# KiCad board ulx4m_panel.kicad_pcb (continued)
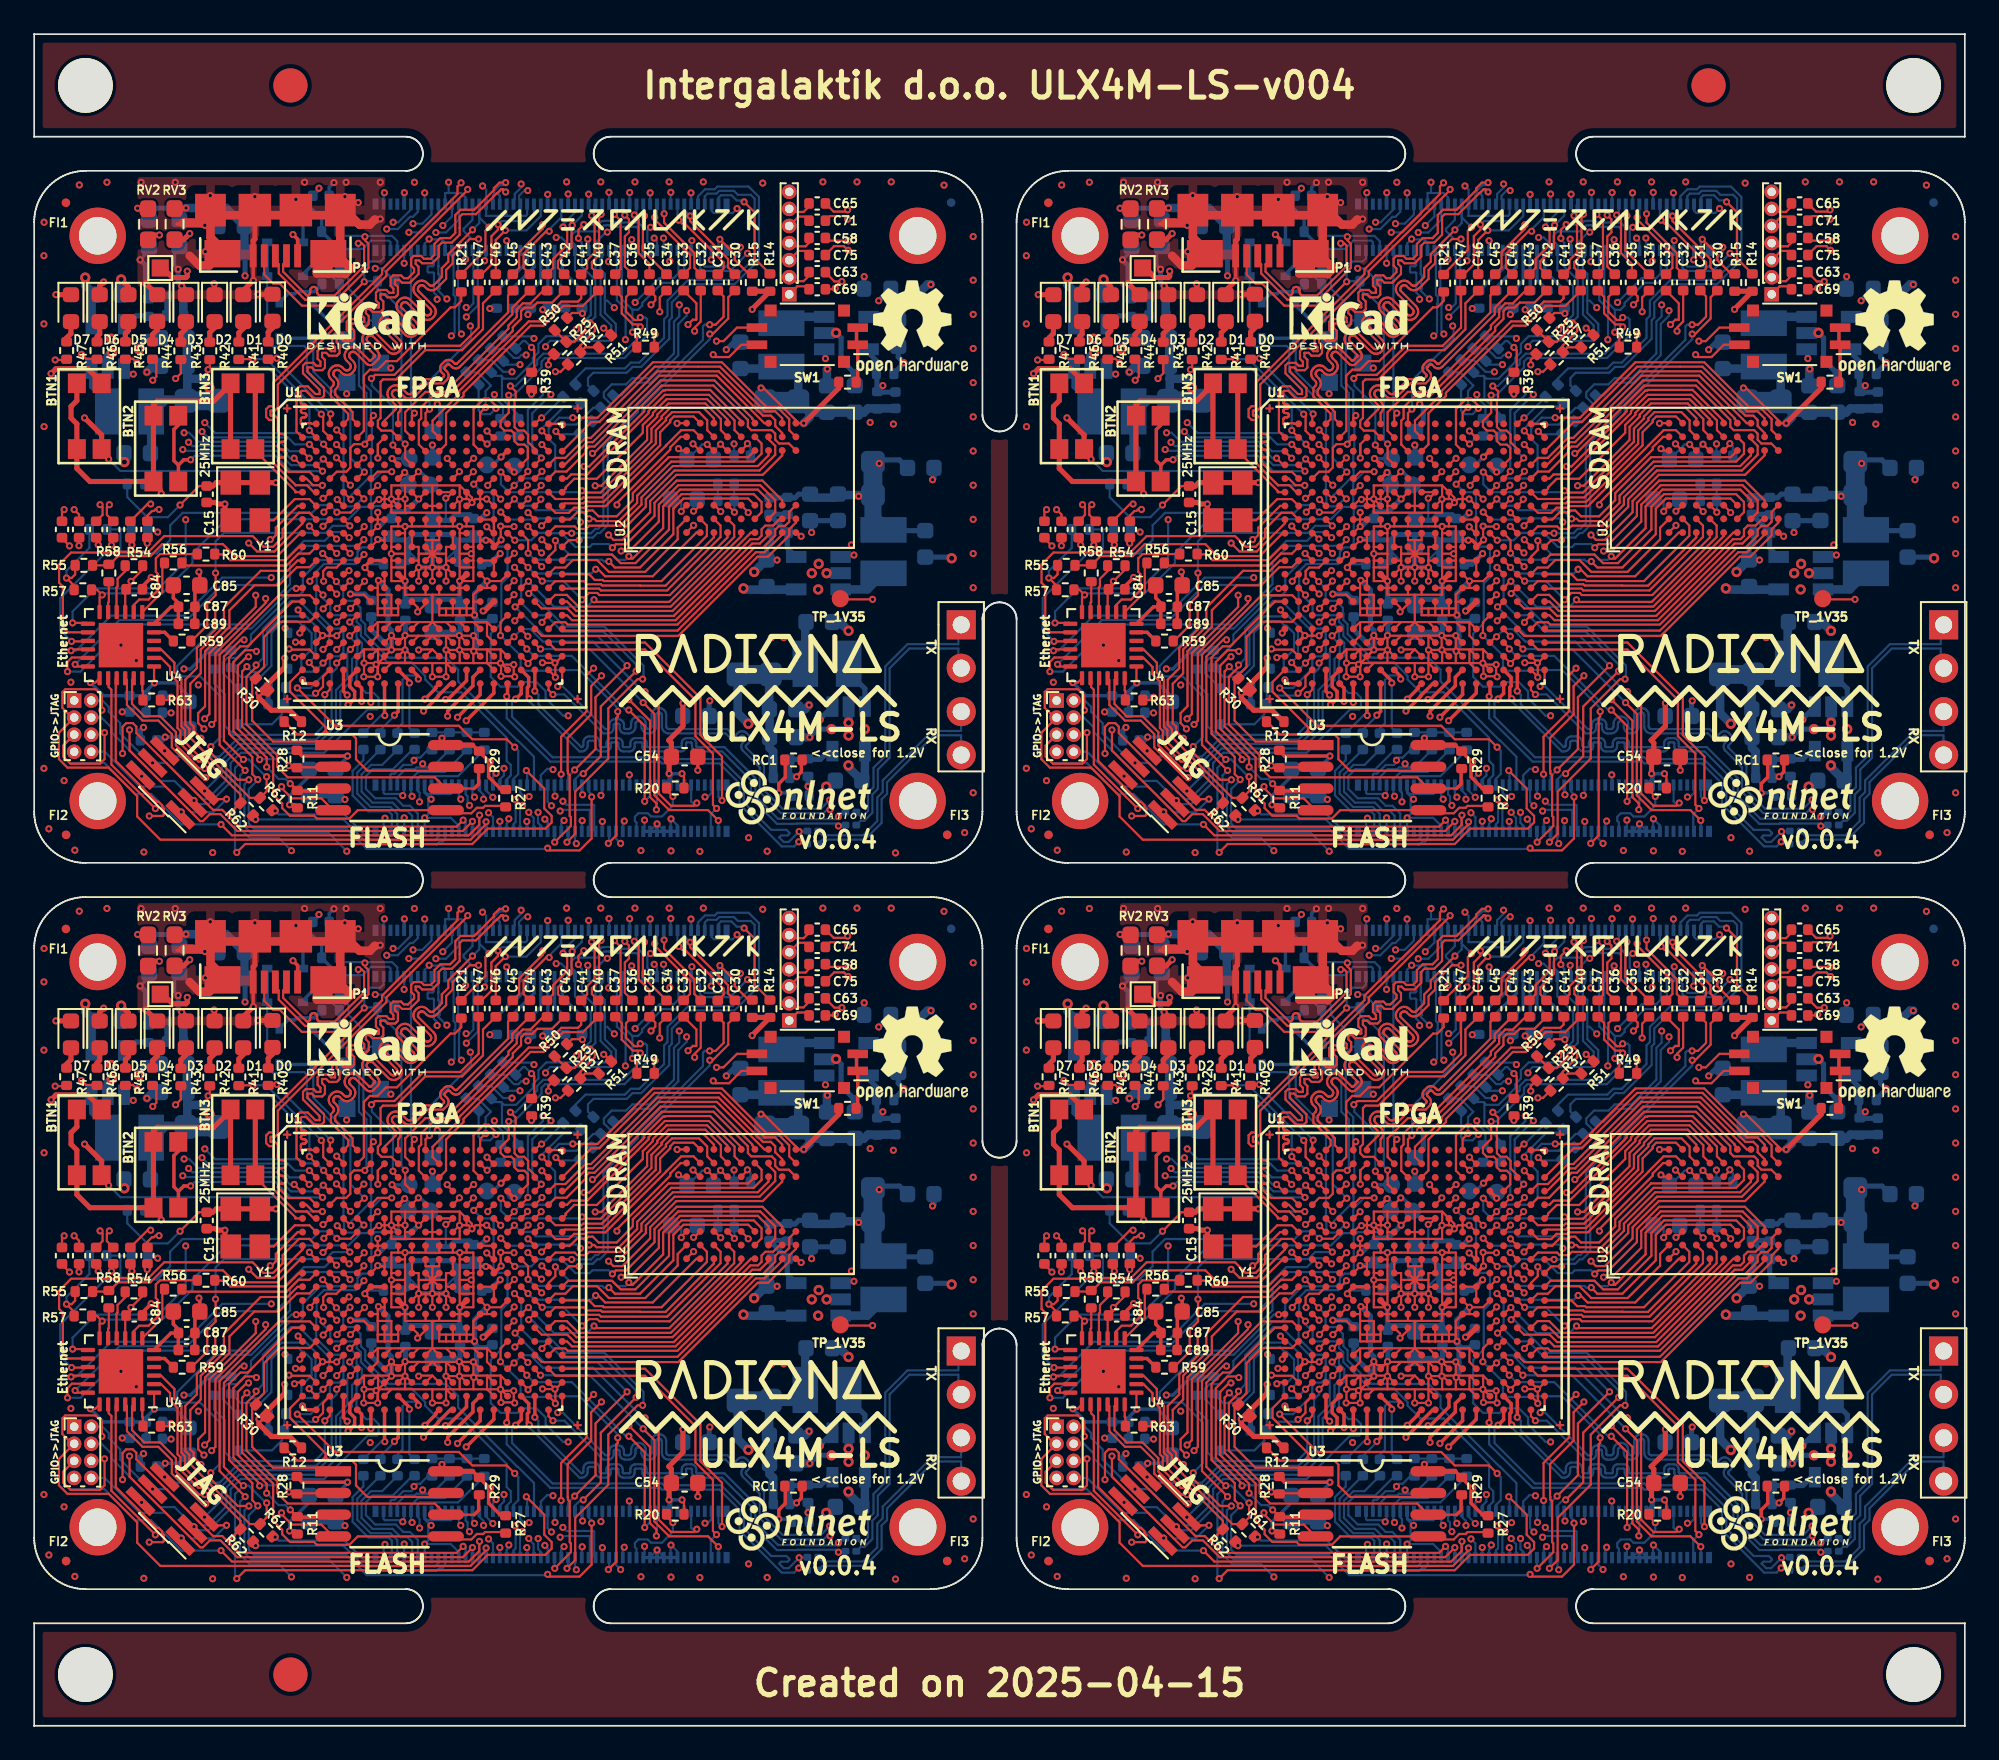
[diagram p0: board, top side]
## Routing (per net, layer and track width the routed paths; a pad name or vN(x,y) marks a point on that pad's centre or on a via; arc(x,y) is an arc through that point) (continued)
Board_3-/serdes/CLK_0_N: length 30.1
  Top w0.127: C66#2.1 59.14,26.99 v1(59.58,26.56)
  Top w0.2: U1.Y12 81.88,18.5 81.16,17.78 81.16,17.74 v1(80.3,16.89)
  In2signal.Cu w0.127: v1(59.58,26.56) 59.87,26.26 59.87,24.21 67.06,17.02 67.62,17.02 69.03,15.61 79.02,15.61 v1(80.3,16.89)
Board_3-/serdes/CLK_0_P: length 30.1
  Top w0.127: C59.2 60.14,26.57 v1(60.13,26.57)
  Top w0.2: v1(80.38,17.59) 81.02,18.22 81.02,18.3 U1.Y11
  In2signal.Cu w0.127: v1(60.13,26.57) 60.13,24.3 67.19,17.25 67.72,17.25 69.1,15.86 78.64,15.86 79.54,16.76 79.54,16.97 79.06,17.45 79.06,17.67 79.27,17.67 79.75,17.19 79.96,17.19 80.36,17.59 v1(80.38,17.59)
Board_3-/serdes/CLK_1_N: length 69.4
  Top w0.127: U1.W20 88.42,18.59 v1(88.16,18.33) ; v1(104.4,41.63) 104.35,41.58 C69#2.1
  In2signal.Cu w0.127: v1(104.08,11.69) 105.17,12.78 105.17,12.85 106.78,14.46 106.78,22.45 109.64,25.31 109.64,27.29 110.6,28.25 110.6,36.49 110.09,37.01 110.06,37.03 110.03,37.04 110,37.05 109.97,37.05 109.94,37.04 109.91,37.03 109.88,37.01 109.77,36.9 109.71,36.85 109.63,36.81 109.55,36.79 109.46,36.79 109.38,36.81 109.31,36.85 109.24,36.9 109.17,36.97 109.12,37.03 109.08,37.11 109.06,37.19 109.06,37.28 109.08,37.36 109.12,37.44 109.17,37.5 109.76,38.09 109.78,38.11 109.79,38.14 109.8,38.18 109.8,38.21 109.79,38.24 109.78,38.27 109.76,38.3 109.72,38.33 109.69,38.35 109.66,38.37 109.63,38.38 109.6,38.38 109.57,38.37 109.54,38.35 109.51,38.33 108.93,37.75 108.86,37.69 108.78,37.66 108.7,37.64 108.62,37.64 108.53,37.66 108.46,37.69 108.39,37.75 108.32,37.82 108.27,37.88 108.23,37.96 108.21,38.04 108.21,38.13 108.23,38.21 108.27,38.29 108.32,38.35 108.91,38.94 108.93,38.96 108.94,38.99 108.95,39.03 108.95,39.06 108.94,39.09 108.93,39.12 108.91,39.15 108.87,39.18 108.85,39.2 108.82,39.22 108.78,39.22 108.75,39.22 108.72,39.22 108.69,39.2 108.66,39.18 108.08,38.6 108.01,38.54 107.93,38.51 107.85,38.49 107.77,38.49 107.68,38.51 107.61,38.54 107.54,38.6 107.47,38.66 107.42,38.73 107.38,38.81 107.36,38.89 107.36,38.98 107.38,39.06 107.42,39.13 107.47,39.2 107.58,39.31 107.6,39.33 107.61,39.36 107.62,39.4 107.62,39.43 107.61,39.46 107.6,39.49 107.58,39.52 107.22,39.88 106.34,39.88 106.01,40.21 105.97,40.24 105.93,40.26 105.89,40.27 105.84,40.27 105.8,40.26 105.76,40.24 105.72,40.21 105.53,40.02 105.5,39.99 105.46,39.97 105.41,39.96 105.37,39.96 105.33,39.97 105.28,39.99 105.25,40.02 105.22,40.05 105.2,40.09 105.19,40.14 105.19,40.18 105.2,40.23 105.22,40.27 105.25,40.3 105.44,40.49 105.47,40.53 105.49,40.57 105.5,40.61 105.5,40.66 105.49,40.7 105.47,40.74 105.44,40.78 105.41,40.8 105.37,40.82 105.32,40.83 105.28,40.83 105.23,40.82 105.19,40.8 105.16,40.78 104.97,40.58 104.93,40.56 104.89,40.54 104.85,40.53 104.8,40.53 104.76,40.54 104.72,40.56 104.68,40.58 104.66,40.62 104.64,40.66 104.63,40.7 104.63,40.75 104.64,40.79 104.66,40.83 104.68,40.87 104.88,41.06 104.9,41.09 104.92,41.13 104.93,41.18 104.93,41.22 104.92,41.27 104.9,41.31 104.88,41.34 104.59,41.63 v1(104.4,41.63)
  Bottom w0.127: v1(104.08,11.69) 103.57,11.17 101.32,11.17 100.24,12.26 100.24,13.69 99.2,14.72 99.19,14.74 99.17,14.77 99.17,14.8 99.17,14.82 99.17,14.85 99.19,14.88 99.2,14.9 99.31,15 99.36,15.06 99.39,15.14 99.41,15.21 99.41,15.29 99.39,15.37 99.36,15.44 99.31,15.5 99.21,15.61 99.14,15.66 99.07,15.69 99,15.71 98.92,15.71 98.84,15.69 98.77,15.66 98.7,15.61 98.6,15.5 98.58,15.48 98.55,15.47 98.53,15.47 98.5,15.47 98.47,15.47 98.45,15.48 98.42,15.5 98.09,15.83 94.68,15.83 94.64,15.84 94.61,15.85 94.58,15.87 94.55,15.9 94.53,15.93 94.51,15.97 94.51,16.01 94.51,16.66 94.5,16.75 94.47,16.83 94.42,16.91 94.36,16.97 94.28,17.02 94.2,17.05 94.11,17.06 94.06,17.06 93.97,17.05 93.88,17.02 93.81,16.97 93.74,16.91 93.7,16.83 93.67,16.75 93.66,16.66 93.66,16.01 93.65,15.97 93.64,15.93 93.62,15.9 93.59,15.87 93.56,15.85 93.52,15.84 93.48,15.83 93.44,15.84 93.41,15.85 93.38,15.87 93.35,15.9 93.33,15.93 93.31,15.97 93.31,16.01 93.31,16.16 93.3,16.25 93.27,16.33 93.22,16.41 93.16,16.47 93.08,16.52 93,16.55 92.91,16.56 92.86,16.56 92.77,16.55 92.68,16.52 92.61,16.47 92.54,16.41 92.5,16.33 92.47,16.25 92.46,16.16 92.46,16.01 92.45,15.97 92.44,15.93 92.42,15.9 92.39,15.87 92.36,15.85 92.32,15.84 92.28,15.83 92.13,15.83 92.11,15.84 92.09,15.84 92.07,15.85 92.06,15.87 92.04,15.89 92.04,15.91 92.04,15.93 92.04,16.08 92.03,16.15 92,16.22 91.96,16.29 91.91,16.34 91.85,16.38 91.78,16.4 91.7,16.41 91.51,16.41 91.44,16.4 91.37,16.38 91.31,16.34 91.25,16.29 91.21,16.22 91.19,16.15 91.18,16.08 91.18,15.93 91.18,15.91 91.17,15.89 91.16,15.87 91.14,15.85 91.13,15.84 91.1,15.84 91.08,15.83 90.95,15.83 88.46,18.33 v1(88.16,18.33)
Board_3-/serdes/CLK_1_P: length 69.4
  Top w0.127: C63.2 103.83,42.56 104.36,42.03 v1(104.79,42.03) ; v1(87.88,17.86) 87.62,18.12 U1.Y19
  In2signal.Cu w0.127: v1(104.79,42.03) 104.79,41.78 106.44,40.14 107.06,40.14 107.15,40.23 107.25,40.23 107.38,40.1 107.38,40.08 107.78,39.68 107.83,39.61 107.87,39.54 107.89,39.45 107.89,39.37 107.87,39.29 107.83,39.21 107.78,39.14 107.67,39.04 107.65,39.01 107.64,38.98 107.63,38.95 107.63,38.92 107.64,38.88 107.65,38.85 107.67,38.83 107.71,38.79 107.73,38.77 107.76,38.76 107.79,38.75 107.83,38.75 107.86,38.76 107.89,38.77 107.91,38.79 108.5,39.38 108.57,39.43 108.64,39.47 108.73,39.49 108.81,39.49 108.89,39.47 108.97,39.43 109.04,39.38 109.1,39.31 109.16,39.24 109.19,39.17 109.21,39.08 109.21,39 109.19,38.92 109.16,38.84 109.1,38.77 108.52,38.19 108.5,38.16 108.48,38.13 108.48,38.1 108.48,38.07 108.48,38.04 108.5,38.01 108.52,37.98 108.55,37.94 108.58,37.92 108.61,37.91 108.64,37.9 108.67,37.9 108.71,37.91 108.74,37.92 108.76,37.94 109.35,38.53 109.41,38.58 109.49,38.62 109.57,38.64 109.66,38.64 109.74,38.62 109.82,38.58 109.88,38.53 109.95,38.46 110.01,38.4 110.04,38.32 110.06,38.24 110.06,38.15 110.04,38.07 110.01,37.99 109.95,37.93 109.37,37.34 109.35,37.31 109.33,37.28 109.32,37.25 109.32,37.22 109.33,37.19 109.35,37.16 109.37,37.13 109.4,37.1 109.43,37.08 109.46,37.06 109.49,37.05 109.52,37.05 109.56,37.06 109.59,37.08 109.61,37.1 109.72,37.2 109.78,37.26 109.86,37.29 109.94,37.31 110.03,37.31 110.11,37.29 110.19,37.26 110.25,37.2 110.86,36.6 110.86,28.14 109.9,27.18 109.9,25.19 107.05,22.34 107.05,14.36 105.42,12.74 105.42,11.35 105.19,11.12 v1(104.1,11.12)
  Bottom w0.127: v1(87.88,17.86) 88.55,17.86 90.83,15.58 91.1,15.58 91.18,15.59 91.25,15.61 91.31,15.65 91.36,15.7 91.4,15.77 91.43,15.84 91.44,15.91 91.44,16.06 91.44,16.08 91.44,16.1 91.46,16.12 91.47,16.13 91.49,16.15 91.51,16.15 91.53,16.16 91.68,16.16 91.7,16.15 91.73,16.15 91.74,16.13 91.76,16.12 91.77,16.1 91.78,16.08 91.78,16.06 91.78,15.91 91.79,15.84 91.81,15.77 91.85,15.7 91.91,15.65 91.97,15.61 92.04,15.59 92.11,15.58 92.31,15.58 92.4,15.59 92.48,15.62 92.56,15.67 92.62,15.73 92.67,15.81 92.7,15.89 92.71,15.98 92.71,16.13 92.71,16.17 92.73,16.21 92.75,16.24 92.78,16.27 92.81,16.29 92.84,16.3 92.88,16.31 92.92,16.3 92.96,16.29 92.99,16.27 93.02,16.24 93.04,16.21 93.05,16.17 93.06,16.13 93.06,15.98 93.07,15.89 93.1,15.81 93.14,15.73 93.21,15.67 93.28,15.62 93.37,15.59 93.46,15.58 93.51,15.58 93.6,15.59 93.68,15.62 93.76,15.67 93.82,15.73 93.87,15.81 93.9,15.89 93.91,15.98 93.91,16.63 93.91,16.67 93.93,16.71 93.95,16.74 93.98,16.77 94.01,16.79 94.04,16.8 94.08,16.81 94.12,16.8 94.16,16.79 94.19,16.77 94.22,16.74 94.24,16.71 94.25,16.67 94.26,16.63 94.26,15.98 94.27,15.89 94.3,15.81 94.34,15.73 94.41,15.67 94.48,15.62 94.57,15.59 94.66,15.58 97.99,15.58 98.26,15.31 98.32,15.26 98.39,15.22 98.47,15.2 98.55,15.2 98.63,15.22 98.7,15.26 98.76,15.31 98.87,15.41 98.89,15.43 98.91,15.44 98.94,15.45 98.97,15.45 99,15.44 99.02,15.43 99.04,15.41 99.11,15.34 99.13,15.32 99.14,15.29 99.15,15.27 99.15,15.24 99.14,15.21 99.13,15.19 99.11,15.17 99.01,15.06 98.96,15 98.92,14.93 98.91,14.85 98.91,14.77 98.92,14.69 98.96,14.62 99.01,14.56 99.98,13.59 99.98,12.15 101.22,10.91 103.72,10.91 103.93,11.12 v1(104.1,11.12)
Board_3-/serdes/S_0_N: length 30.3
  Top w0.127: 61.33,26.9 61.19,27.04 C67#4.1 61.14,26.99 61.26,26.87 v1(61.26,26.62)
  Top w0.2: v1(77.22,17.39) 77.22,17.39 U1.Y6
  In2signal.Cu w0.127: v1(61.26,26.62) 61.78,26.1 61.73,26.05 61.5,26.05 61.3,25.86 61.3,25.49 61.5,25.29 62.78,25.29 62.9,25.16 62.78,25.04 62.05,25.04 61.78,24.76 61.78,24.46 62.38,23.86 62.38,23.72 62.21,23.55 62.21,23.2 62.4,23.02 62.8,23.02 63.36,23.58 63.36,23.59 63.54,23.59 63.54,23.59 63.54,23.41 62.72,22.59 62.72,22.2 62.86,22.05 63.26,22.05 63.33,22.13 64.08,22.88 64.26,22.88 64.26,22.87 64.26,22.7 64.09,22.53 64.09,22.14 69.64,16.59 76.42,16.59 v1(77.22,17.39)
Board_3-/serdes/S_0_P: length 29
  Top w0.127: v1(62.03,26.61) 62.03,26.85 61.99,26.89 C61.2
  Top w0.2: v1(76.68,17.46) 76.68,18.24 U1.Y5
  In2signal.Cu w0.127: v1(76.68,17.46) 76.68,17.23 76.29,16.85 69.75,16.85 64.35,22.25 64.35,22.43 64.51,22.59 64.51,22.98 64.36,23.13 63.97,23.13 63.15,22.31 62.97,22.31 62.97,22.49 63.79,23.31 63.79,23.7 63.64,23.85 63.25,23.85 62.68,23.27 62.5,23.27 62.46,23.31 62.46,23.45 62.63,23.61 62.63,23.97 62.03,24.57 62.03,24.65 62.16,24.78 62.88,24.78 63.16,25.06 63.16,25.27 62.88,25.54 61.6,25.54 61.55,25.59 61.55,25.75 61.6,25.8 61.83,25.8 62.03,25.99 v1(62.03,26.61)
Board_3-/serdes/S_1_N: length 3.3
  Top w0.2: U1.Y8 78.82,16.87 v1(78.6,16.65)
  Bottom w0.127: v1(78.6,16.65) 78.6,16.61 77.78,15.79 C68#4.1
Board_3-/serdes/S_1_P: length 3.6
  Top w0.2: v1(78.04,16.63) 78.02,16.65 U1.Y7
  Bottom w0.127: C62.2 77.81,16.63 v1(78.04,16.63)
Board_3-/serdes/S_2_N: length 33.1
  Top w0.127: C72#4.1 63.14,26.79 63.11,26.76 ; C72#4.1 63.23,26.95 v1(63.23,26.62) ; C72#4.1 63.35,26.83
  Top w0.2: U1.W5 75.99,18.86 75.99,18.32 76.27,18.03 76.27,17.62 75.91,17.26 v1(75.88,17.26)
  In2signal.Cu w0.127: v1(63.23,26.62) 63.58,26.27 63.58,24.35 64.78,23.15 65.17,23.15 66.27,24.25 66.45,24.25 66.45,24.07 64.91,22.53 64.91,22.15 65.07,21.99 65.45,21.99 66.53,23.07 66.71,23.07 66.71,22.89 65.63,21.81 65.63,21.43 65.79,21.27 66.17,21.27 67.07,22.18 67.25,22.18 67.25,22 66.35,21.09 66.35,20.72 66.51,20.55 66.88,20.55 67.05,20.71 67.21,20.71 69.11,18.82 70.69,18.82 71.38,18.12 71.38,17.94 71.13,17.7 71.13,17.52 71.31,17.52 71.56,17.77 71.74,17.77 71.74,17.59 71.74,17.58 71.74,17.4 71.92,17.4 71.92,17.41 72.1,17.41 72.33,17.18 75.8,17.18 v1(75.88,17.26)
Board_3-/serdes/S_2_P: length 30.3
  Top w0.127: v1(64.13,26.71) 64.14,26.72 C55#2.2 63.96,26.86
  Top w0.2: U1.W4 75.62,18.04 v1(75.83,17.82)
  In2signal.Cu w0.127: v1(75.83,17.82) 75.46,17.45 72.42,17.45 70.8,19.07 69.22,19.07 67.32,20.97 66.94,20.97 66.78,20.8 66.62,20.8 66.6,20.82 66.6,20.98 67.51,21.89 67.51,22.28 67.36,22.43 66.97,22.43 66.06,21.52 65.9,21.52 65.88,21.54 65.88,21.7 66.96,22.79 66.96,23.18 66.82,23.32 66.43,23.32 65.34,22.24 65.18,22.24 65.16,22.26 65.16,22.42 66.71,23.96 66.71,24.35 66.56,24.5 66.17,24.5 65.06,23.4 64.88,23.4 63.85,24.44 63.85,26.43 v1(64.13,26.71)
Board_3-/serdes/S_3_N: length 5
  Top w0.2: v1(80,18.76) 80,18.92 U1.W9
  Bottom w0.127: v1(80,18.76) 79.79,18.97 79.33,18.97 79.07,18.71 79.07,16.17 78.78,15.88 C73#4.1
Board_3-/serdes/S_3_P: length 4.5
  Top w0.2: U1.W8 79.47,18.64 v1(79.47,18.53)
  Bottom w0.127: 79.49,15.89 C56#3.2 79.47,15.9 v1(79.47,18.53)
Board_3-/serdes/S_4_N: length 2.9
  Top w0.2: v1(82.8,16.32) 84.42,17.94 U1.Y15
  Bottom w0.127: 82.81,16.32 v1(82.8,16.32)
Board_3-/serdes/S_4_P: length 2.5
  Top w0.2: v1(82.29,16.53) 83.62,17.86 U1.Y14
Board_3-/serdes/S_5_N: length 72
  Top w0.127: v1(105.13,45.67) 104.95,45.86 104.1,45.86 C71#2.1
  Top w0.2: U1.Y17 86.02,17.92 v1(85.69,17.59)
  In2signal.Cu w0.127: v1(102.29,9.84) 102.86,9.26 105.62,9.26 106.68,10.33 106.68,12.68 109.3,15.3 109.3,22.36 111.74,24.8 111.74,38.96 106.92,43.78 106.92,44.6 105.71,45.82 105.28,45.82 v1(105.13,45.67)
  Bottom w0.127: v1(85.69,17.59) 85.49,17.38 85.49,16.55 87.86,14.18 94.26,14.18 94.36,14.08 97.73,14.08 99.06,12.75 99.06,11.54 100.66,9.94 101.55,9.94 101.72,9.77 101.72,9.71 101.62,9.61 101.23,9.61 101.12,9.5 101.39,9.23 101.68,9.23 v1(102.29,9.84) 102.74,9.84 C93.2
Board_3-/serdes/S_5_P: length 71.7
  Top w0.127: v1(105.13,46.22) 105.03,46.12 104.31,46.12 C65#4.2
  Top w0.2: U1.Y16 85.22,17.79 v1(85.17,17.75)
  In2signal.Cu w0.127: v1(105.13,46.22) 105.28,46.07 105.81,46.07 107.18,44.71 107.18,43.89 112,39.07 112,24.69 109.56,22.25 109.56,15.19 106.94,12.57 106.94,10.22 105.72,9.01 102.5,9.01 v1(102.27,9.24)
  Bottom w0.127: v1(85.17,17.75) 85.17,16.47 87.72,13.93 94.15,13.93 94.26,13.82 97.62,13.82 98.8,12.64 98.8,11.43 101.27,8.97 102,8.97 v1(102.27,9.24) 102.45,9.24 102.5,9.19 102.68,9.19 C94#3.2
Board_3-/serdes/S_6_N: length 3.5
  Top w0.2: U1.W14 83.19,18.87 83.19,18.37 81.71,16.89 v1(81.71,16.59)
Board_3-/serdes/S_6_P: length 2.3
  Top w0.2: U1.W13 82.82,18.66 81.72,17.57 v1(81.59,17.57)
Board_3-/serdes/S_7_N: length 70.3
  Top w0.127: v1(105.16,43.85) 104.92,44.1 104.34,44.1 103.83,43.59 C75#2.1
  Top w0.2: U1.W18 86.82,18.06 v1(86.82,18.06)
  In2signal.Cu w0.127: v1(104.59,10.71) 104.75,10.55 105.46,10.55 105.94,11.03 105.94,12.78 108.2,15.04 108.2,22.59 110.47,24.86 110.47,27.02 111.19,27.74 111.19,38.45 108.78,40.86 108.75,40.88 108.71,40.9 108.68,40.91 108.64,40.91 108.61,40.9 108.57,40.88 108.55,40.86 108.15,40.46 108.08,40.41 107.99,40.37 107.9,40.34 107.81,40.34 107.72,40.37 107.64,40.41 107.56,40.46 107.53,40.5 107.47,40.57 107.43,40.65 107.41,40.74 107.41,40.84 107.43,40.93 107.47,41.01 107.53,41.08 107.93,41.48 107.95,41.51 107.96,41.54 107.97,41.58 107.97,41.61 107.96,41.65 107.95,41.68 107.93,41.71 107.42,42.22 107.37,42.26 107.31,42.29 107.25,42.3 107.18,42.3 107.12,42.29 107.07,42.26 106.97,42.18 106.91,42.15 106.85,42.14 106.78,42.14 106.72,42.15 106.67,42.18 106.62,42.22 106.59,42.25 106.55,42.3 106.52,42.35 106.51,42.41 106.51,42.48 106.52,42.54 106.55,42.6 106.63,42.69 106.66,42.75 106.67,42.81 106.67,42.88 106.66,42.94 106.63,42.99 106.59,43.04 105.65,43.99 105.29,43.99 v1(105.16,43.85)
  Bottom w0.127: C91.2 104.86,10.98 v1(104.59,10.71) 104.44,10.56 102.66,10.56 102.64,10.58 101.05,10.58 99.73,11.91 99.73,12.97 97.92,14.78 96.34,14.78 96.33,14.78 96.31,14.79 96.3,14.79 96.29,14.81 96.28,14.82 96.27,14.84 96.27,14.85 96.27,15 96.26,15.07 96.24,15.13 96.2,15.19 96.15,15.24 96.1,15.28 96.03,15.3 95.96,15.31 95.72,15.31 95.66,15.3 95.59,15.28 95.53,15.24 95.48,15.19 95.45,15.13 95.42,15.07 95.42,15 95.42,14.85 95.41,14.84 95.41,14.82 95.4,14.81 95.39,14.79 95.37,14.79 95.36,14.78 95.34,14.78 93.44,14.78 93.42,14.78 93.4,14.79 93.39,14.79 93.38,14.81 93.37,14.82 93.37,14.84 93.36,14.85 93.36,15 93.36,15.07 93.33,15.13 93.3,15.19 93.25,15.24 93.19,15.28 93.12,15.3 93.06,15.31 92.72,15.31 92.65,15.3 92.58,15.28 92.53,15.24 92.48,15.19 92.44,15.13 92.42,15.07 92.41,15 92.41,14.85 92.41,14.84 92.4,14.82 92.39,14.81 92.38,14.79 92.37,14.79 92.35,14.78 92.34,14.78 92.04,14.78 92.02,14.78 92,14.79 91.99,14.79 91.98,14.81 91.97,14.82 91.97,14.84 91.96,14.85 91.96,15 91.96,15.07 91.93,15.13 91.9,15.19 91.85,15.24 91.79,15.28 91.72,15.3 91.66,15.31 91.32,15.31 91.25,15.3 91.18,15.28 91.13,15.24 91.08,15.19 91.04,15.13 91.02,15.07 91.01,15 91.01,14.85 91.01,14.84 91,14.82 90.99,14.81 90.98,14.79 90.97,14.79 90.95,14.78 90.94,14.78 90.74,14.78 90.71,14.78 90.68,14.79 90.66,14.81 90.64,14.83 90.63,14.85 90.62,14.87 90.61,14.9 90.61,15.05 90.6,15.13 90.58,15.2 90.54,15.27 90.48,15.33 90.41,15.37 90.34,15.4 90.26,15.41 90.01,15.41 89.94,15.4 89.86,15.37 89.79,15.33 89.74,15.27 89.69,15.2 89.67,15.13 89.66,15.05 89.66,14.9 89.66,14.87 89.65,14.85 89.63,14.83 89.61,14.81 89.59,14.79 89.56,14.78 89.54,14.78 87.03,17.29 87.03,17.85 v1(86.82,18.06)
Board_3-/serdes/S_7_P: length 70.9
  Top w0.127: C58#4.2 103.99,44.42 105.16,44.42 v1(105.17,44.41)
  Top w0.2: v1(86.49,17.61) 86.38,17.72 86.38,18.27 86.46,18.35 86.46,18.86 U1.W17
  In2signal.Cu w0.127: v1(105.17,44.41) 105.33,44.25 105.78,44.25 108.14,41.89 108.2,41.81 108.24,41.73 108.26,41.64 108.26,41.55 108.24,41.46 108.2,41.38 108.14,41.3 107.74,40.9 107.72,40.88 107.7,40.84 107.69,40.81 107.69,40.77 107.7,40.74 107.72,40.7 107.74,40.68 107.77,40.65 107.8,40.64 107.84,40.63 107.87,40.63 107.91,40.64 107.94,40.65 107.97,40.68 108.37,41.07 108.44,41.13 108.52,41.17 108.61,41.19 108.71,41.19 108.8,41.17 108.88,41.13 108.95,41.07 111.44,38.58 111.44,27.63 110.73,26.91 110.73,24.75 108.46,22.49 108.46,14.94 106.2,12.67 106.2,10.92 105.55,10.28 104.7,10.28 v1(104.59,10.16)
  Bottom w0.127: C92#4.2 104.64,10.22 v1(104.59,10.16) 104.44,10.31 102.19,10.31 102.16,10.29 100.99,10.29 99.47,11.81 99.47,12.83 97.78,14.52 96.32,14.52 96.26,14.53 96.19,14.56 96.13,14.59 96.08,14.64 96.05,14.7 96.02,14.76 96.02,14.83 96.02,14.98 96.01,15 96.01,15.01 96,15.02 95.99,15.04 95.97,15.04 95.96,15.05 95.94,15.05 95.74,15.05 95.73,15.05 95.71,15.04 95.7,15.04 95.69,15.02 95.68,15.01 95.67,15 95.67,14.98 95.67,14.83 95.66,14.76 95.64,14.7 95.6,14.64 95.55,14.59 95.5,14.56 95.43,14.53 95.36,14.52 93.42,14.52 93.35,14.53 93.28,14.56 93.23,14.59 93.18,14.64 93.14,14.7 93.12,14.76 93.11,14.83 93.11,14.98 93.11,15 93.1,15.01 93.09,15.02 93.08,15.04 93.07,15.04 93.05,15.05 93.04,15.05 92.74,15.05 92.72,15.05 92.7,15.04 92.69,15.04 92.68,15.02 92.67,15.01 92.67,15 92.66,14.98 92.66,14.83 92.66,14.76 92.63,14.7 92.6,14.64 92.55,14.59 92.49,14.56 92.42,14.53 92.36,14.52 92.02,14.52 91.95,14.53 91.88,14.56 91.83,14.59 91.78,14.64 91.74,14.7 91.72,14.76 91.71,14.83 91.71,14.98 91.71,15 91.7,15.01 91.69,15.02 91.68,15.04 91.67,15.04 91.65,15.05 91.64,15.05 91.34,15.05 91.32,15.05 91.3,15.04 91.29,15.04 91.28,15.02 91.27,15.01 91.27,15 91.26,14.98 91.26,14.83 91.26,14.76 91.23,14.7 91.2,14.64 91.15,14.59 91.09,14.56 91.02,14.53 90.96,14.52 90.71,14.52 90.64,14.53 90.56,14.56 90.49,14.6 90.44,14.66 90.39,14.73 90.37,14.8 90.36,14.88 90.36,15.03 90.36,15.06 90.35,15.08 90.33,15.11 90.31,15.13 90.29,15.14 90.26,15.15 90.24,15.15 90.04,15.15 90.01,15.15 89.98,15.14 89.96,15.13 89.94,15.11 89.93,15.08 89.92,15.06 89.91,15.03 89.91,14.88 89.9,14.8 89.88,14.73 89.84,14.66 89.78,14.6 89.71,14.56 89.64,14.53 89.56,14.52 89.43,14.52 86.49,17.46 v1(86.49,17.61)
Board_3-/usb/D10_R4: length 1.6
  Bottom w0.2: R4#2.1 73.25,45.73 D10#4.1
Board_3-/usb/D11_R5: length 1.4
  Bottom w0.2: R5.1 73.69,42.9 73.25,42.46 D11.2
Board_3-/usb/D12_R6: length 2
  Bottom w0.2: D12.1 73.84,40.64 74.6,39.88 R6#4.1
Board_3-/usb/D13_R7: length 2.9
  Bottom w0.2: D13#4.2 72.37,41.31 72.77,41.31 72.89,41.44 73.91,41.44 R7#3.1
Board_3-BTN1: length 25.3
  Top w0.127: U1.E1 73.44,30.5 73.83,30.11 74.37,30.11 v1(74.38,30.1) ; v1(61.87,31.63) 61.87,31.81 BTN1#4.2
  Top w0.3: BTN1#4.2 61.46,33.05 v1(60.46,34.05) ; v1(58.5,36.64) 58.79,36.92 60.65,36.92 61.46,36.12 BTN1#4.2
  In2signal.Cu w0.3: v1(58.5,36.64) 58.21,36.35 58.21,35.1 59.26,34.05 v1(60.46,34.05)
  Bottom w0.127: v1(61.87,31.63) 62.56,30.94 71.97,30.94 72.81,30.1 v1(74.38,30.1)
Board_3-BTN2: length 13.6
  Top w0.127: U1.D2 v1(74.39,30.93)
  Top w0.2: v1(66.67,31.6) 66.27,31.6 65.95,31.28 ; BTN2.2 65.95,30.33 65.95,31.28 ; 65.95,31.28 65.69,31.55 65.69,33.37 65.95,33.62 BTN2.2
  Bottom w0.127: v1(74.39,30.93) 72.53,30.93 71.63,31.83 66.9,31.83 v1(66.67,31.6)
Board_3-BTN3: length 7.8
  Top w0.127: BTN3#3.2 70.45,32.11 72.81,29.76 72.81,29.7 ; 72.81,29.7 72.79,29.72 ; 72.81,29.7 U1.F1
  Top w0.3: BTN3#3.2 BTN3#3.2
Board_3-CAM0_C_N: length 31.9
  Top w0.127: U1.E2 73.63,30.89 72.4,30.89 71.77,31.51 71.78,31.56 71.8,31.61 71.82,31.65 71.86,31.69 71.9,31.71 71.95,31.73 72,31.74 72.05,31.74 72.1,31.74 72.15,31.76 72.19,31.79 72.22,31.82 72.25,31.87 72.27,31.91 72.27,31.96 72.27,32.01 72.25,32.06 72.22,32.11 72.19,32.14 72.15,32.17 72.1,32.19 72.05,32.19 72,32.19 71.95,32.2 71.9,32.21 71.86,32.24 71.82,32.28 71.8,32.32 71.78,32.37 71.77,32.42 71.78,32.47 71.8,32.52 71.82,32.56 71.86,32.6 71.9,32.62 71.95,32.64 72,32.65 72.05,32.65 72.1,32.65 72.15,32.67 72.19,32.69 72.22,32.73 72.25,32.77 72.27,32.82 72.27,32.87 72.27,32.92 72.25,32.97 72.22,33.01 72.19,33.05 72.15,33.08 72.1,33.09 72.05,33.1 72,33.1 71.95,33.11 71.9,33.12 71.86,33.15 71.82,33.18 71.8,33.23 71.78,33.28 71.77,33.33 71.77,34.01 71.6,34.18 71.37,34.18 71.35,34.2 71.35,34.45 71.37,34.47 71.6,34.47 71.77,34.65 71.77,36 78.13,42.36 78.13,42.63 82.89,47.39 v1(82.89,47.42)
  In2signal.Cu w0.127: v1(86.02,47.73) 86.02,47.53 85.04,46.55 83.97,46.55 83.94,46.56 83.94,46.55 82.46,46.55 82.24,46.78 82.24,46.97 82.68,47.42 v1(82.89,47.42)
  Bottom w0.127: J2.40 85.57,46.77 85.64,46.84 85.64,47.15 86.02,47.53 v1(86.02,47.73)
Board_3-CAM0_C_P: length 32.3
  Top w0.127: v1(82.5,47.8) 82.29,47.59 82.29,47.15 77.88,42.73 77.88,42.46 71.52,36.11 71.52,34.75 71.5,34.73 71.26,34.73 71.09,34.56 71.09,34.1 71.26,33.92 71.5,33.92 71.52,33.9 71.52,31.41 72.82,30.11 73.47,30.11 73.88,29.7 U1.F2
  In2signal.Cu w0.127: v1(82.5,47.8) 82.5,47.6 81.98,47.08 81.98,46.67 82.36,46.3 85.15,46.3 86.2,47.35 v1(86.4,47.35)
  Bottom w0.127: v1(86.4,47.35) 86.2,47.35 85.89,47.05 85.89,46.84 85.97,46.77 J2.42
Board_3-CAM0_D0_N: length 32.1
  Top w0.127: U1.A5 76.15,33.97 76.15,34.39 75.14,35.4 75.14,35.69 75.19,35.75 75.25,35.82 75.29,35.91 75.32,36.01 75.32,36.11 75.29,36.2 75.25,36.29 75.19,36.37 75.08,36.48 75.05,36.51 75.03,36.56 75.02,36.6 75.02,36.65 75.03,36.7 75.05,36.74 75.08,36.78 75.09,36.79 75.13,36.82 75.17,36.84 75.22,36.85 75.27,36.85 75.31,36.84 75.36,36.82 75.4,36.79 75.5,36.68 75.58,36.62 75.67,36.58 75.77,36.56 75.87,36.56 75.96,36.58 76.05,36.62 76.13,36.68 76.18,36.74 76.24,36.81 76.29,36.9 76.31,37 76.31,37.1 76.29,37.2 76.24,37.29 76.18,37.37 76.01,37.54 75.98,37.58 75.96,37.62 75.95,37.67 75.95,37.72 75.96,37.77 75.98,37.81 76.01,37.85 76.05,37.88 76.1,37.91 76.15,37.92 76.2,37.92 76.24,37.91 76.29,37.88 76.33,37.85 76.96,37.22 77.01,37.18 77.07,37.15 77.14,37.14 77.21,37.14 77.27,37.15 77.33,37.18 77.38,37.22 77.63,37.47 77.68,37.52 77.71,37.59 77.72,37.65 77.72,37.72 77.71,37.78 77.68,37.84 77.63,37.9 77.63,37.93 76.98,38.58 76.97,38.63 76.97,38.68 76.98,38.72 77.01,38.77 77.04,38.81 77.08,38.84 77.12,38.86 77.17,38.87 77.22,38.87 77.27,38.86 77.31,38.84 77.35,38.81 78.23,37.93 78.31,37.87 78.4,37.82 78.5,37.8 78.6,37.8 78.7,37.82 78.79,37.87 78.87,37.93 78.91,37.97 78.97,38.05 79.01,38.14 79.04,38.23 79.04,38.34 79.01,38.43 78.97,38.52 78.91,38.6 78.91,38.61 78.03,39.49 78.01,39.53 78,39.58 78,39.63 78.01,39.68 78.03,39.72 78.06,39.76 78.07,39.77 78.11,39.8 78.15,39.82 78.2,39.83 78.24,39.83 78.29,39.82 78.33,39.8 78.37,39.77 79.22,38.92 79.3,38.86 79.39,38.81 79.49,38.79 79.59,38.79 79.69,38.81 79.78,38.86 79.86,38.92 79.9,38.96 79.96,39.04 80,39.13 80.03,39.22 80.03,39.33 80,39.42 79.96,39.51 79.9,39.59 79.9,39.62 79,40.52 78.99,40.57 78.99,40.62 79,40.67 79.02,40.71 79.05,40.75 79.06,40.76 79.1,40.79 79.14,40.81 79.19,40.82 79.23,40.82 79.28,40.81 79.32,40.79 79.36,40.76 80.21,39.91 80.29,39.85 80.38,39.8 80.48,39.78 80.58,39.78 80.68,39.8 80.77,39.85 80.85,39.91 80.89,39.95 80.95,40.03 80.99,40.12 81.02,40.21 81.02,40.32 80.99,40.41 80.95,40.5 80.89,40.58 80.89,40.59 80,41.47 79.99,41.49 79.98,41.52 79.98,41.61 79.99,41.66 80.01,41.7 80.04,41.74 80.05,41.75 80.09,41.78 80.13,41.8 80.18,41.81 80.22,41.81 80.27,41.8 80.31,41.78 80.35,41.75 80.46,41.64 80.54,41.58 80.63,41.54 80.72,41.51 80.82,41.51 80.92,41.54 81.01,41.58 81.08,41.64 81.63,42.18 81.63,42.7 82.01,43.08 82.01,43.52 83,44.51 v1(83.53,44.51)
  Bottom w0.127: v1(83.53,44.51) 83.12,44.51 82.65,44.99 82.65,45.11 83.17,45.63 J2.28
Board_3-CAM0_D0_P: length 36.1
  Top w0.127: v1(83.17,45.05) 82.47,44.35 82.47,44.34 81.75,43.63 81.75,43.19 81.37,42.81 81.37,42.29 80.92,41.84 80.89,41.81 80.84,41.79 80.8,41.78 80.75,41.78 80.7,41.79 80.66,41.81 80.62,41.84 80.51,41.95 80.44,42.01 80.35,42.05 80.25,42.07 80.15,42.07 80.06,42.05 79.97,42.01 79.89,41.95 79.84,41.9 79.78,41.82 79.73,41.73 79.71,41.63 79.71,41.54 79.73,41.44 79.78,41.35 79.84,41.27 80.69,40.42 80.72,40.38 80.74,40.34 80.75,40.29 80.75,40.24 80.74,40.19 80.72,40.15 80.69,40.11 80.65,40.08 80.6,40.05 80.56,40.04 80.51,40.04 80.46,40.05 80.41,40.08 80.37,40.11 79.52,40.96 79.45,41.02 79.36,41.06 79.26,41.08 79.16,41.08 79.07,41.06 78.98,41.02 78.9,40.96 78.85,40.91 78.79,40.83 78.74,40.74 78.72,40.64 78.72,40.55 78.74,40.45 78.79,40.36 78.85,40.28 79.7,39.43 79.73,39.39 79.75,39.35 79.76,39.3 79.76,39.25 79.75,39.2 79.73,39.16 79.7,39.12 79.66,39.09 79.61,39.06 79.57,39.05 79.52,39.05 79.47,39.06 79.42,39.09 79.38,39.12 78.53,39.97 78.46,40.03 78.37,40.07 78.27,40.09 78.17,40.09 78.08,40.07 77.99,40.03 77.91,39.97 77.86,39.92 77.8,39.84 77.75,39.75 77.73,39.65 77.73,39.56 77.75,39.46 77.8,39.37 77.86,39.29 78.71,38.44 78.74,38.4 78.76,38.36 78.77,38.31 78.77,38.26 78.76,38.21 78.74,38.17 78.71,38.13 78.67,38.1 78.62,38.07 78.58,38.06 78.53,38.06 78.48,38.07 78.43,38.1 78.39,38.13 77.51,39.01 77.43,39.07 77.34,39.11 77.25,39.14 77.15,39.14 77.05,39.11 76.96,39.07 76.88,39.01 76.84,38.97 76.78,38.89 76.73,38.8 76.71,38.7 76.71,38.6 76.73,38.5 76.78,38.41 76.84,38.33 77.44,37.73 77.45,37.72 77.46,37.7 77.46,37.69 77.46,37.68 77.46,37.66 77.45,37.65 77.44,37.64 77.22,37.41 77.21,37.4 77.19,37.4 77.18,37.4 77.16,37.4 77.15,37.4 77.14,37.4 77.13,37.41 76.49,38.05 76.41,38.12 76.32,38.16 76.22,38.18 76.12,38.18 76.02,38.16 75.93,38.12 75.85,38.05 75.81,38.01 75.75,37.93 75.71,37.84 75.68,37.75 75.68,37.65 75.71,37.55 75.75,37.46 75.81,37.38 75.98,37.21 76.01,37.17 76.03,37.13 76.04,37.08 76.04,37.03 76.03,36.98 76.01,36.93 75.98,36.9 75.97,36.88 75.93,36.85 75.89,36.83 75.84,36.82 75.79,36.82 75.75,36.83 75.7,36.85 75.66,36.88 75.56,36.99 75.48,37.05 75.39,37.1 75.29,37.12 75.19,37.12 75.1,37.1 75.01,37.05 74.93,36.99 74.88,36.94 74.82,36.86 74.78,36.77 74.75,36.68 74.75,36.58 74.78,36.48 74.82,36.39 74.88,36.32 74.99,36.21 75.02,36.17 75.04,36.13 75.05,36.08 75.05,36.03 75.04,35.99 75.02,35.94 74.99,35.91 74.88,35.8 74.88,35.29 75.89,34.28 75.89,33.97 U1.A4 ; v1(84.14,45.2) 83.93,45 83.93,43.88 82.51,42.46 R21#3.1